# Altium PCB CRD25DA12N-FMC V2 (09-2024).PcbDoc (part 4 of 6)
Units mil, origin at the board's own origin, x right, y up, seen from the top; angles counter-clockwise.
Board outline 8000 x 8000 mil, 6 copper layers (Top Layer, Layer 2, Layer 3, Layer 4, Layer 5, Bottom Layer), stack 91 mil thick; 602 components, 333 nets, 1670 pads, 639 vias.
Unrouted connection lines stored in the file: 1.
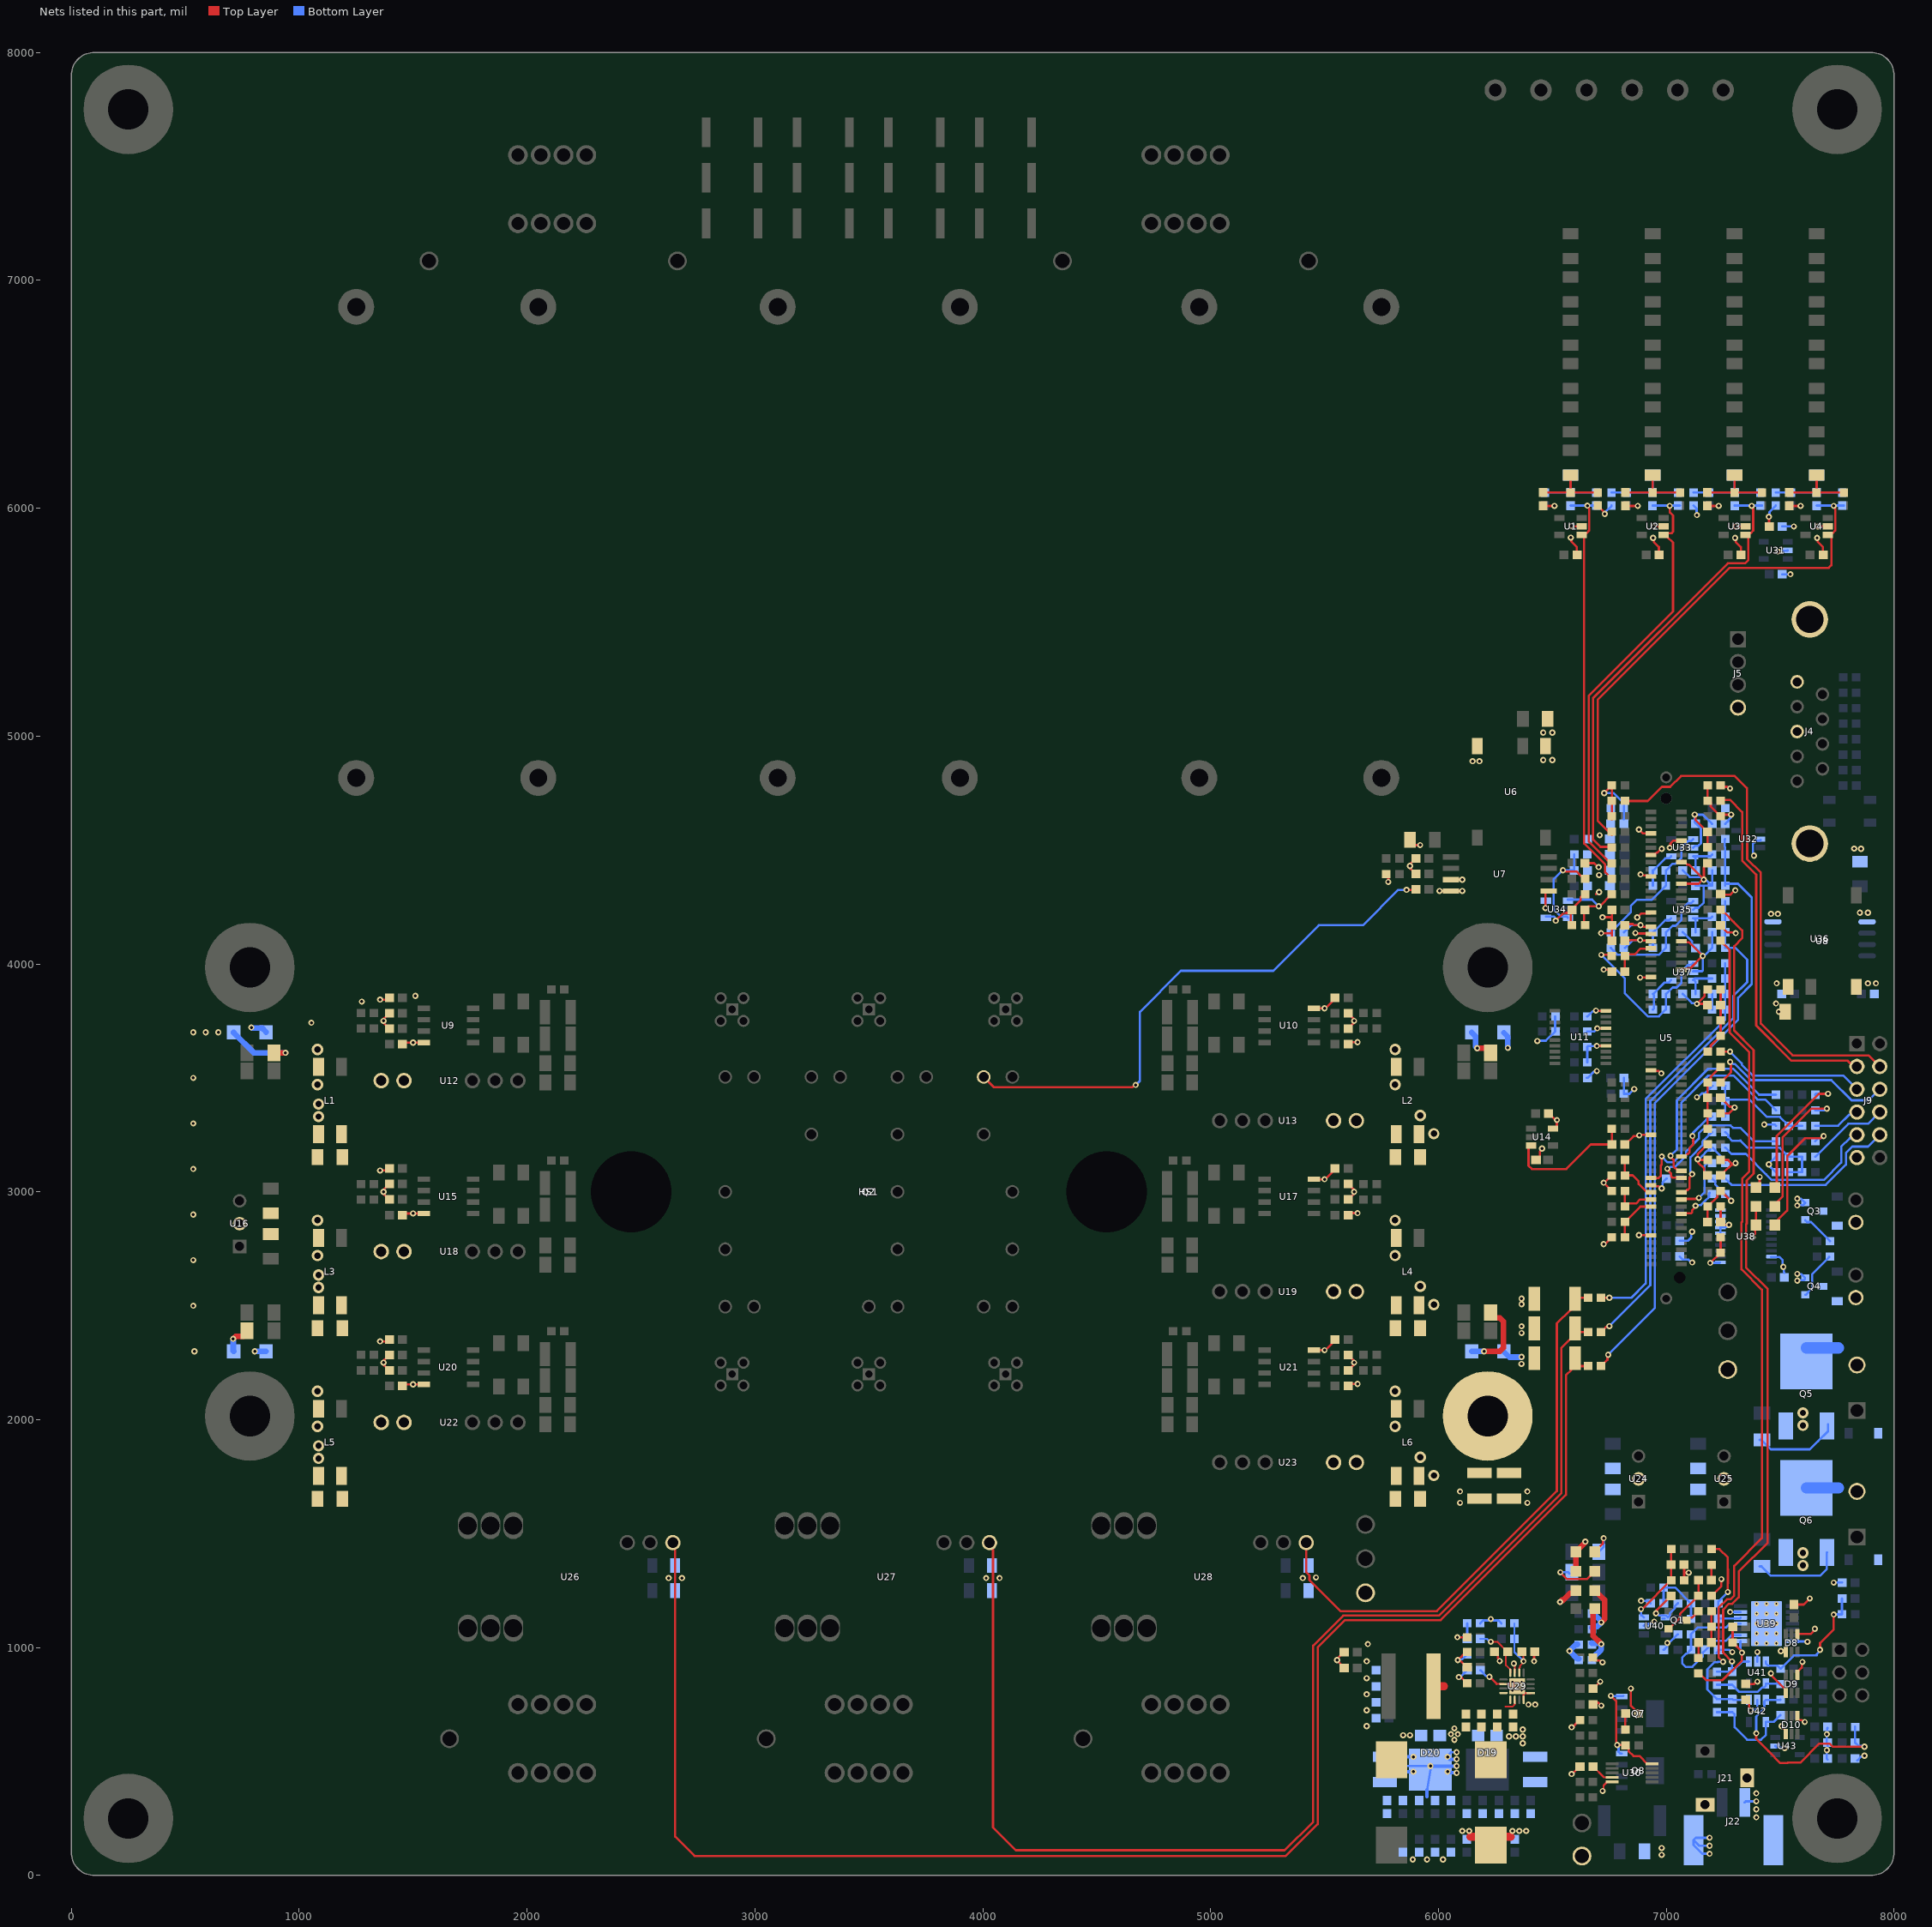
[diagram p8: the nets of this part, all layers, seen from the top]

## Via types
v1: diameter 27, hole 13, Top Layer to Bottom Layer, tented both sides, 543 vias
v2: diameter 50, hole 28, Top Layer to Bottom Layer, tented both sides, 76 vias
v3: diameter 19.68, hole 7.87, Top Layer to Bottom Layer, tented top, 15 vias
v4: diameter 19.68, hole 7.87, Top Layer to Bottom Layer, tented both sides, 5 vias

## Nets (pads, with @x,y where several pads share a name; then routed paths per layer and width w, separated by ;. In a path a pad name is that pad's centre, name@x,y a point inside that pad or via, vN(x,y) a via of type N, cw(c..) or ccw(c..) an arc to the next point about the centre after c; other vN are vias at no path point) (continued)
GND: C1.2 C2.2 C3.2 C4.2 C5.2 C6.2 C7.2 C8.2 C9.2 C10.2 C11.2 C13.2 C15.2 C16.2 C19.2 C21.2 C22.2 C23.2 C24.2 C25.2 C26.2 C27.2 C30.2 C31.2 C32.2 C33.2 C34.2 C35.2 C38.2 C39.2 C44.2 C45.2 C46.2 C49.2 C50.2 C53.2 C54.2 C55.2 C56.2 C57.2 C58.2 C61.2 C62.2 C63.2 C64.2 C71.2 C72.2 C75.2 C76.2 C77.2 C78.2 C81.2 C82.2 C89.2 C92.2 C95.2 C96.2 C97.2 C99.2 C100.2 C101.2 C102.2 C103.2 C104.2 C109.2 C117.2 C118.2 C122.2 C123.2 C124.2 C125.2 C126.2 C127.2 C129.2 C130.2 C131.2 C133.1 C134.2 C135.2 C136.2 C137.2 C138.2 C140.2 C142.2 C143.2 C144.2 C146.2 C147.2 C148.2 C149.2 C150.2 C151.2 C152.2 C153.2 C154.2 C155.2 C156.2 C157.2 C158.2 C159.2 C160.2 C161.2 C162.1 C163.1 C164.1 C166.2 C169.2 C170.2 C171.2 C172.2 C175.2 C178.2 C179.2 C180.2 C182.2 C183.2 C184.2 C186.2 C187.2 C188.2 C189.2 C190.2 C191.2 C192.2 C193.2 C194.2 C195.2 C196.2 C197.2 C198.2 C199.2 C200.2 C201.2 C202.2 C203.2 D1.1 D2.1 D3.1 D4.1 D5.1 D6.1 D8.1 D8.4 D9.1 D9.4 D10.1 D10.4 D11.1 D12.1 D15.1 D16.1 D20.1 J9.11 J21.2 J21.3 J22.1 J22.3 J22.4 L1.2 L2.2 L3.2 L4.2 L5.2 L6.2 L9.1 Q3.2 Q4.2 Q5.3 Q6.3 R38.1 R46.1 R66.1 R87.1 R91.2 R93.1 R96.1 R101.1 R108.1 R110.1 R111.1 R112.1 R113.1 R117.1 R125.1 R133.1 R134.1 R138.1 R139.1 R142.1 R145.1 R149.1 R150.1 R183.1 R186.1 R189.1 R198.1 R201.2 R202.1 R207.1 R212.1 R214.1 R215.1 R216.1 R217.1 R218.1 R219.1 R220.1 R228.1 R236.1 R254.1 R255.1 R258.1 R260.1 R263.1 TP7.1 TP10.1 TP15.1 U1.2 U2.2 U3.2 U4.2 U5.7 U5.10 U5.13 U5.16 U5.19 U5.22 U5.29 U5.35 U5.38 U5.46 U5.47 U5.65 U5.83 U5.97 U5.111 U6.1 U7.5 U8.1 U9.4 U10.4 U11.4 U11.7 U11.10 U14.5 U15.4 U16.2 U17.4 U20.4 U21.4 U24.2 U25.2 U29.1 U29.7 U29.16 U29.17 U30.5 U31.2 U32.2 U33.2 U34.5 U35.2 U36.4 U37.2 U38.1 U38.6 U38.7 U38.8 U38.9 U38.10 U38.19 U39.6 U39.14 U39.15 U40.2 U41.2 U42.2 U43.2 | length 13145.5
  Top Layer w8: v1(6331.08,930) 6331.08,924.86 6335.16,920.78 6335.16,889.81 U29.7@6334.87,889.52 ; v1(6720.98,370.5) 6724.62,374.14 6724.62,394.48 U30.5@6739.86,409.72 ; U30.5@6740.77,410.63 U30.5@6762.91,410.63
  Top Layer w10: v1(1355,2343.5) 1382.92,2343.5 C71.2@1391.42,2352 ; v1(1355,3093.5) 1382.92,3093.5 C49.2@1391.42,3102 ; v1(1355,3843.5) 1382.92,3843.5 C26.2@1391.42,3852 ; C77.2@1391.42,2216 1391.42,2220.05 1373.25,2238.22 1373.25,2246.75 v1(1370,2250) 1373.25,2253.25 1373.25,2261.78 1391.42,2279.95 C75.2@1391.42,2284 ; C57.2@1391.42,2966 1391.42,2970.05 1373.25,2988.22 1373.25,2996.75 v1(1370,3000) 1373.25,3003.25 1373.25,3011.78 1391.42,3029.95 C54.2@1391.42,3034 ; C34.2@1391.42,3716 1391.42,3720.05 1373.25,3738.22 1373.25,3746.75 v1(1370,3750) 1373.25,3753.25 1373.25,3761.78 1391.42,3779.95 C32.2@1391.42,3784 ; C81.2@1448.58,2148 1455.58,2155 v1(1500,2155) U20.4@1546.73,2155 ; C61.2@1448.58,2898 1455.58,2905 v1(1500,2905) U15.4@1546.73,2905 ; C38.2@1448.58,3648 1455.58,3655 v1(1500,3655) U9.4@1546.73,3655 ; U21.4@5453.27,2305 v1(5500,2305) 5505,2305 5505,2306.53 5550.47,2352 C72.2@5551.42,2352 ; U17.4@5453.27,3055 v1(5500,3055) 5505,3055 5505,3056.53 5550.47,3102 C50.2@5551.42,3102 ; U10.4@5453.27,3805 v1(5500,3805) 5505,3805 5505,3806.53 5550.47,3852 C27.2@5551.42,3852 ; C99.2@5586.42,900 5586.42,912.05 5555,943.47 5555,949.53 5575.47,970 C97.2@5586.42,970 ; C82.2@5608.58,2148 5617.08,2156.5 v1(5645,2156.5) ; C78.2@5608.58,2216 5608.58,2220.05 5626.75,2238.22 5626.75,2246.75 v1(5630,2250) 5626.75,2253.25 5626.75,2261.78 5608.58,2279.95 C76.2@5608.58,2284 ; C62.2@5608.58,2898 5617.08,2906.5 v1(5645,2906.5) ; C58.2@5608.58,2966 5608.58,2970.05 5626.75,2988.22 5626.75,2996.75 v1(5630,3000) 5626.75,3003.25 5626.75,3011.78 5608.58,3029.95 C55.2@5608.58,3034 ; C39.2@5608.58,3648 5617.08,3656.5 v1(5645,3656.5) ; C35.2@5608.58,3716 5608.58,3720.05 5626.75,3738.22 5626.75,3746.75 v1(5630,3750) 5626.75,3753.25 5626.75,3761.78 5608.58,3779.95 C33.2@5608.58,3784 ; v1(6083.11,1045) R142.1@6126.38,1045 ; v1@6102.73,866.75 6125.47,844 R149.1@6126.38,844 ; v1(6135,195) 6135,175.86 6140.86,170 ; L9.1@6192.99,170 L9.1@6230,132.99 L9.1@6267.01,170 ; C95.2@6246.42,981 6247.37,981 6261.24,967.14 6261.24,952.5 6268.91,944.82 v1(6268.91,940.28) ; 6317.98,170 6323.84,175.86 6323.84,193.84 v1(6325,195) ; v1(6331.08,930) 6334.33,926.75 6334.33,921.07 v1@6334.87,920.53 ; v4(6365,810) U29.17@6374.53,800.47 ; U29.16@6374.53,770.77 U29.17@6374.53,800.47 ; U29.1@6404.23,800.47 U29.17@6374.53,800.47 ; v1(6420,940) 6420,977.42 C96.2@6423.58,981 ; R91.2@6428.38,3140 6431.29,3140 6445.16,3153.86 6445.16,3175.56 6455,3185.4 v1(6455,3190) ; C1.2@6460,6011.42 6461.42,6010 v1(6509.46,6010) ; v1(6470,4245) 6470,4313.19 6476.81,4320 6488.54,4320 U7.5@6495.35,4313.19 ; C45.2@6483.58,3344 6484.53,3344 6510.27,3318.25 6516.75,3318.25 v1(6520,3315) 6520,3288.18 6511.22,3279.4 U14.5@6503.23,3279.4 ; v1(6580.67,5871.13) 6583.92,5867.88 6583.92,5853.71 6607.63,5830 6607.63,5795.95 C6.2@6608.58,5795 ; v1(6583.58,5921.42) 6584.29,5920.71 6627.52,5920.71 U1.2@6628.23,5920 ; v1(6585,445) 6587.47,445 6620.47,478 C109.2@6621.42,478 ; v1(6585,650) 6588.47,650 6618.47,680 R150.1@6625,680 ; C15.2@6638.58,4442 6683.4,4442 6700.4,4425 v1(6703.02,4425) ; C103.2@6678.58,750 6685.82,757.24 6700.74,757.24 ; C101.2@6678.58,819 6679.53,819 6710,849.47 v1(6710,850) ; R145.1@6678.62,956 6691.58,943.04 6707.36,943.04 6715.4,935 v1(6720,935) ; 6691.4,4306 6700.4,4315 v1(6705,4315) ; v1(6691.5,3795) 6691.93,3794.57 6734.57,3794.57 U11.10@6735,3794.13 ; v1(6695,3640) 6695.3,3640.3 6734.7,3640.3 U11.4@6735,3640.59 ; v1(6697.19,3717.36) U11.7@6735,3717.36 ; R38.1@6700,6011.38 6700,6010.47 v1@6726.75,5983.73 ; 6701.75,758.25 v1(6715,745) ; v1(6714.02,4135) 6761.42,4135 ; v1(6720,4205) 6761.42,4205 ; v1(6725,2770) 6728.25,2773.25 6733.73,2773.25 6760.47,2800 R110.1@6761.38,2800 ; v1(6725,3975) 6760.42,3975 C25.2@6761.42,3974 ; U30.5@6739.86,409.72 U30.5@6740.77,410.63 ; R101.1@6761.38,3004 6760.47,3004 6725,3039.47 v1(6725,3040) 6728.47,3040 6760.47,3072 R96.1@6761.38,3072 ; C24.2@6761.42,4110 6761.42,4135 ; C21.2@6761.42,4240 C21.2@6761.42,4238 6761.42,4205 ; C46.2@6818.58,3208 6819.53,3208 6855.79,3244.26 6878.25,3244.26 v1(6881.5,3247.52) 6883.89,3249.9 6932.97,3249.9 U5.83@6933.07,3249.8 ; C2.2@6820,6011.42 6821.42,6010 v1(6875,6010) ; v1(6845,820) 6845,743.58 6863.76,724.81 6863.76,723.86 6877.63,710 C104.2@6878.58,710 ; v1(6864.55,4135.68) 6866.54,4133.69 6931.08,4133.69 U5.35@6933.07,4131.69 ; v1(6872.9,4204.39) 6874,4204.39 6890.94,4221.34 6928.23,4221.34 U5.29@6933.07,4226.18 ; v1(6880,2810) 6880.57,2809.43 6929.43,2809.43 U5.111@6930,2810 ; v1(6880,4590) 6897.36,4572.64 U5.7@6933.07,4572.64 ; v1(6885,3940) 6885.47,3940.47 6934.53,3940.47 U5.47@6935,3940.94 ; v1(6887.16,4392.84) 6891.76,4392.84 6896.1,4388.5 6928.23,4388.5 U5.19@6933.07,4383.66 ; U5.13@6914.65,4482.8 6951.5,4482.8 6957.5,4488.8 6961.25,4488.8 6977.45,4505 v1(6980.19,4505) ; U5.97@6928.23,3034.17 U5.97@6933.07,3029.33 6937.91,3024.49 6965.91,3024.49 6975.4,3015 v1(6980,3015) ; U5.65@6935,3531.5 6936.04,3530.46 6964.94,3530.46 6975.4,3520 v1(6978.82,3520) ; v1(6942.09,5869.71) 6945.34,5866.45 6945.34,5852.28 6967.63,5830 6967.63,5795.95 C7.2@6968.58,5795 ; v1(6945,5920) U2.2@6988.23,5920 ; v1(7015,4510) 7018.25,4513.25 7018.25,4528.25 7031.14,4541.14 U5.10@7066.93,4541.14 ; U5.46@7066.93,3974.21 7071.77,3979.06 7104.06,3979.06 v1(7160,4035) 7099.65,4095.35 7071.77,4095.35 U5.38@7066.93,4100.2 ; U5.22@7066.93,4352.17 7142.57,4352.17 7160.4,4370 v1(7165,4370) ; U5.16@7071.77,4451.5 U5.16@7066.93,4446.65 7080.71,4446.65 7091.36,4436 7099,4436 v1(7165,4370) ; R138.1@7078.62,1295 R138.1@7078.62,1295 7078.58,1330 ; C89.2@7078.58,1363 7078.58,1330 ; C89.2@7079.53,1347.25 C89.2@7079.53,1363 ; v1(7098.39,1328.39) 7080.19,1328.39 cw(c7080.19,1330) 7078.58,1330 ; v1(7125,4655) 7128.25,4651.75 7128.25,4632.22 7180.47,4580 C11.2@7181.42,4580 C13.2@7181.42,4511 ; C3.2@7180,6011.42 7181.42,6010 v1(7230,6010) ; C30.2@7181.42,3820 7176.42,3825 v1(7135,3825) 7167.52,3857.52 7167.52,3875.04 7180.47,3888 R66.1@7181.38,3888 ; C16.2@7181.42,4442 7180.47,4442 7166.61,4428.14 7166.61,4427.19 7165,4425.58 v1(7165,4370) ; v1(7193.1,2688.1) 7193.82,2688.1 7237.72,2732 R112.1@7238.62,2732 R111.1@7238.62,2800 ; R139.1@7198.62,1227 7199.53,1227 7241.89,1269.36 v1(7241.89,1300) ; C63.2@7238.58,2868 C63.2@7238.58,2868 R108.1@7238.62,2936 ; C53.2@7238.58,3072 7239.53,3072 7253.39,3085.86 7253.39,3086.71 7284.8,3118.12 7296.33,3118.12 v1(7304.07,3125.86) ; R93.1@7238.62,3140 7270.98,3140 7292.87,3118.12 ; R87.1@7238.62,3344 7274,3344 v1(7300,3370) 7296.75,3373.25 7278.27,3373.25 7239.53,3412 C44.2@7238.58,3412 ; C23.2@7238.58,4168 7239.53,4168 7269.27,4138.25 7301.75,4138.25 v1(7305,4135) ; C19.2@7238.58,4304 7281.99,4304 7301.26,4323.27 v1(7303.03,4323.27) ; R46.1@7238.62,4790 7251.58,4777.04 7268.36,4777.04 7275.4,4770 v1(7280,4770) ; C63.2@7239.6,2869.02 7239.6,2868.79 7253.39,2855 v1(7275.54,2855) ; v1(7302.09,5869.71) 7305.34,5866.45 7305.34,5852.28 7327.63,5830 7327.63,5795.95 C8.2@7328.58,5795 ; v1(7305,5920) U3.2@7348.23,5920 ; C102.2@7348.58,771 7349.53,771 7363.39,757.14 7363.39,735.07 7370,728.46 v1(7370,723.86) ; C100.2@7348.58,840 7385.52,840 7395.52,850 v1(7400.12,850) ; v1(7378.5,2800) 7378.5,2803.88 7390,2815.38 7390,2850.34 D3.1@7393.66,2854 D2.1@7393.66,2936 ; D1.1@7387.66,3012 7410,3034.34 v1(7410,3065) ; v1(7450,5962.36) 7451.14,5961.23 C5.2@7451.14,5920 ; v1(7459.15,886.52) 7462.41,883.26 7462.41,876.41 7524.41,814.41 D9.1@7524.41,800.63 ; v1(7502.68,984.44) 7520.6,984.44 D8.1@7524.41,980.63 ; v1(7506,655.26) 7506,652.82 7520.55,638.27 D10.1@7520.55,625 ; C4.2@7540,6011.42 7541.42,6010 v1(7589.46,6010) ; C92.2@7560,1188.58 7603.58,1188.58 v1(7630,1215) ; D10.4@7575.59,699.37 7575.59,685.59 7579.45,681.73 7594.67,681.73 7603.29,673.11 v1(7607.89,673.11) ; D9.4@7575.59,879.37 7575.59,893.15 7594.61,912.17 7594.61,933.41 v1(7597.86,936.66) ; D8.4@7575.59,1059.37 7633.25,1059.37 7652.35,1078.46 v1(7652.35,1082.35) ; v1(7662.09,5869.71) 7665.34,5866.45 7665.34,5852.28 7687.63,5830 7687.63,5795.95 C9.2@7688.58,5795 ; v1(7665,5920) U4.2@7708.23,5920 ; 6761.42,4135 C22.2@6761.42,4170 6761.42,4205
  Top Layer w25: v1(6534.01,1199.85) 6534.55,1199.85 6542,1207.3 6547.3,1207.3 6578.88,1238.88 6592.54,1238.88 D6.1@6603.66,1250 ; D5.1@6603.66,1335 D4.1@6603.66,1420 6644.62,1460.96 6644.62,1464.62 v1(6645,1465)
  Top Layer w35: 6140.86,170 L9.1@6192.99,170 ; L9.1@6267.01,170 6317.98,170
  Bottom Layer w10: 5860,480 v1(5965,480) ; D20.1@5950,376.14 D20.1@5965,464.06 ; v1(6040,455) D20.1@6045,450 ; D20.1@6050,510 v1(6040,520) 6040,525.51 6054.49,540 v1(6080,540) ; v1(6090,870) 6093.25,873.25 6098.73,873.25 6125.47,900 C171.2@6126.42,900 ; R255.1@6183.62,1106 6196.58,1118.96 6219.36,1118.96 6225.4,1125 6234.6,1125 6240.64,1118.96 6263.42,1118.96 R254.1@6276.38,1106 ; D15.1@6287.4,2298.03 D15.1@6287.4,2300 ; D11.1@6287.4,3698.03 D11.1@6287.4,3700 ; D15.1@6311.93,2273.5 D15.1@6313.9,2273.5 ; v1(6433.85,3661.83) 6434.99,3662.97 6471.31,3662.97 6511.34,3703 6512.24,3703 R215.1@6512.24,3770 ; v1(6470,4245) 6470,4280.63 U34.5@6471.77,4282.4 ; C147.2@6650,3500 C147.2@6653.58,3500 6654.53,3500 6681.27,3526.75 6691.75,3526.75 v1(6695,3530) ; R219.1@6653.62,3568 R218.1@6653.62,3636 6657.62,3640 v1(6695,3640) ; R216.1@6653.62,3703 6682.82,3703 v1(6697.19,3717.36) ; R214.1@6653.62,3770 6654.53,3770 6676.27,3791.75 6688.25,3791.75 v1(6691.5,3795) ; v1(6730,5975) 6733.25,5978.25 6733.25,5983.73 6760,6010.47 R189.1@6760,6011.38 ; C146.2@6813.62,3500.78 R220.1@6813.62,3430 6838.67,3430 v1(6859.34,3450.66) ; v1(6889.85,1205.15) 6920.27,1205.15 C166.2@6931.42,1194 ; U40.2@6901.77,1095 6910.55,1103.78 6932.8,1103.78 6942.81,1113.79 v1(6947.41,1113.79) ; v1(6980,3015) 6983.25,3018.25 6983.25,3039.83 6986.61,3043.19 6986.61,3044.14 7000.47,3058 C150.2@7001.42,3058 ; C170.2@6988.58,990 6989.53,990 7003.39,1003.86 7003.39,1012.47 7007.99,1017.07 v1@7009.28,1017.07 ; v1(7005.01,1020.32) 7006.03,1020.32 v1@7009.28,1017.07 ; R258.1@7050.47,1058 7031.87,1039.39 7031.87,1039.26 7012.92,1020.32 7012.53,1020.32 v1@7009.28,1017.07 ; C152.2@7058.58,2716 7072.44,2702.14 7097.31,2702.14 7109.45,2690 v1(7114.05,2690) ; C151.2@7058.58,2785 7094.69,2785 7110.04,2800.35 7110.04,2821.35 v1(7113.3,2824.61) ; C144.2@7071.42,3868 7072.37,3868 7112.12,3828.25 7131.75,3828.25 v1(7135,3825) 7166,3825 7175.02,3834.02 7201.42,3834.02 ; C138.2@7071.42,4139 7072.37,4139 7113.76,4097.61 7113.76,4083.86 7127.63,4070 C140.2@7128.58,4070 7129.53,4070 v1@7160,4039.53 ; C131.2@7071.42,4411 7072.37,4411 7102.24,4381.14 7150.33,4381.14 7161.47,4370 v1(7165,4370) 7168.25,4366.75 7176.73,4366.75 R202.1@7200.47,4343 ; U37.2@7118.23,3967 7119.23,3968.01 7156.78,3968.01 7160,3971.22 v1(7160,4035) 7163.25,4038.25 7168.73,4038.25 7200.47,4070 R207.1@7201.38,4070 C137.2@7201.42,4139 C137.2@7201.42,4139 ; U35.2@7118.23,4238 7127.01,4246.78 7141.58,4246.78 7164.52,4269.72 7164.52,4343 ; U33.2@7118.23,4510 7127.01,4518.78 7141.58,4518.78 7151.87,4529.07 7151.87,4594.66 C123.2@7129.53,4617 ; R186.1@7120,6011.38 7132.96,5998.42 7132.96,5972.04 v1(7135,5970) ; C135.2@7128.58,4343 7164.52,4343 ; C123.2@7128.58,4617 C123.2@7129.53,4617 ; v1(7135,3415) 7139.6,3415 7156.2,3431.6 7168.5,3431.6 7201.9,3465 C148.2@7202.85,3465 ; v1(7190,95) 7158.11,95 7119.8,133.31 J22.4@7119.8,155 ; v1(7190,130) 7144.8,130 J22.4@7119.8,155 ; v1(7190,165) 7129.8,165 J22.4@7119.8,155 ; v1(7193.1,2688.1) 7193.46,2688.46 7234.64,2688.46 U38.1@7235,2688.82 ; R212.1@7201.38,3800 R212.1@7201.38,3800 7201.42,3834.02 ; C143.2@7201.42,3868 7201.42,3834.02 ; C130.2@7201.42,4411 C130.2@7201.42,4411 R202.1@7201.38,4343 R202.1@7200.47,4343 ; C122.2@7201.42,4615 7200.47,4615 7160.47,4655 v1(7125,4655) 7125,4621.53 C123.2@7129.53,4617 ; C169.2@7220.28,975.24 C169.2@7230.05,985 ; C169.2@7228.58,990 7275.4,990 7285.4,980 v1(7290,980) ; U38.6@7237.8,2817.8 U38.7@7237.8,2840.51 ; U38.7@7237.8,2843.39 U38.7@7237.8,2851.18 ; U38.8@7237.8,2866.1 U38.7@7237.8,2851.18 ; U38.8@7237.8,2868.98 U38.9@7237.8,2894.57 U38.10@7237.8,2920.16 ; v1(7275.54,2855) 7275.38,2855 7266.48,2846.1 7243.39,2846.1 U38.7@7237.8,2840.51 ; v1(7280.29,1156.3) 7280.35,1156.24 U39.6@7325.83,1156.18 U39.6@7325.83,1156.18 ; J22.1@7344.21,320.35 7348.86,325 v1(7395,325) ; v1(7370,723.86) 7373.25,727.11 7389.98,727.11 7400,737.14 U42.2@7400,770 ; v1(7385,4475) 7385,4479.6 7380.5,4484.1 7380.5,4526.97 7387.57,4534.04 7389.34,4534.04 7396.5,4541.19 7412.42,4541.19 U32.2@7414.84,4543.61 ; U41.2@7400,938.23 v1(7400,980) ; v1(7430,3295) 7476.38,3295 R228.1@7481.38,3290 ; v1(7450,5962.36) 7453.25,5965.62 7453.25,5983.73 7480,6010.47 R183.1@7480,6011.38 ; U38.19@7459.41,2714.41 7495.59,2714.41 7510.88,2699.12 7510.88,2673.19 v1(7513.45,2670.62) 7516.7,2667.37 7516.7,2646.84 7518.54,2645 ; U43.2@7478.7,567.6 7485.51,560.79 7509.61,560.79 7509.77,560.62 7517.87,560.62 v1(7520,558.49) ; R236.1@7481.38,3086 7480.47,3086 7450,3116.47 v1(7450,3120) 7450,3123.53 7480.47,3154 C149.2@7481.42,3154 ; v1(7490,5810) 7492.5,5812.5 7530.65,5812.5 U31.2@7533.15,5815 ; C118.2@7508.58,5710 v1(7545,5710) ; C117.2@7508.58,5920 v1(7560,5920) ; U39.14@7554.17,1028.23 7555.63,1026.77 7618.55,1026.77 v1(7620,1025.32) ; v1(7575,2610) 7576.65,2611.65 7602.91,2611.65 7608.66,2617.4 7608.66,2622.4 7592.56,2638.5 7576.5,2638.5 v1(7575,2640) ; v1(7575,2940) 7576.65,2941.65 7599.88,2941.65 7607.15,2948.92 7607.15,2953.92 7592.56,2968.5 ; v1(7575,2970) 7576.5,2968.5 v1@7587.56,2968.5 ; Q3.2@7601.26,2940 7601.26,2943.03 Q3.2@7610.63,2952.4 ; Q3.2@7608.66,2952.4 7592.56,2968.5 ; v1(7705,550) 7705,511.58 C184.2@7708.58,508 ; v1(7705,620) 7705,581.58 7708.58,578 v1@7708.58,550 ; v1@7706.69,620 7706.69,645.11 C180.2@7708.58,647 ; v1(7735,1285) C161.2@7771.42,1285 ; C183.2@7838.53,504 7856.27,521.75 7866.75,521.75 v1(7870,525) ; 7164.52,4343 R202.1@7200.47,4343 ; U38.7@7237.8,2840.51 7237.69,2840.62 7237.69,2851.07 U38.7@7237.8,2851.18 ; v1@7587.56,2968.5 7592.56,2968.5 ; v1@7587.56,2968.5 7592.56,2968.5
  Bottom Layer w15: 5855,520 v1(5890,520) ; 5860,455 v1(5890,455) ; 5950,345 D20.1@5950,376.14 ; v1(5965,480) v1(6080,480) ; D20.1@6045,450 v1(6080,450) ; D20.1@6050,510 v1(6080,510)
  Bottom Layer w25: v1(790,3721.08) 790.54,3721.08 792.62,3719 837.3,3719 854.33,3701.97 D12.1@854.33,3700 ; v1(805,2300) D16.1@854.33,2300 ; D15.1@6287.4,2298.03 D15.1@6311.93,2273.5 ; D11.1@6287.4,3698.03 6304.43,3681 6304.43,3632.61 6305,3632.04 v1(6305,3631.5) ; D15.1@6313.9,2273.5 6315.01,2274.62 6364.62,2274.62 v1(6365,2275) ; R260.1@6610,1013.53 6603.53,1013.53 v1(6575,985) 6575.47,985 6610.47,950 R263.1@6616.47,950
  other v1: 5887.4,70 5950,70 6020,70 6980,90 6980,120 6105,195 6355,195 6385,195 7395,255 7395,290 7395,360 5685,655 5685,725 6395,750 6425,750 5685,795 5685,865 5685,940 5555,945 5690,1014.94 6230,1125 2621.5,1305 2680,1305 4015,1305 4073.5,1305 5405,1305 5462.65,1307.65 6095,1635 6390,1635 6095,1685 6390,1685 6364.7,2244.7 540,2300 6365,2380 6364.85,2409.85 535,2500 6365,2506.5 6365,2531.5 535,2700 535,2900 535,3100 535,3300 535,3500 535,3700 590,3700 645,3700 1053.21,3741.79 7494.21,3790 7481.72,3826.72 1275,3835 1510,3860 7485,3915 7460,4220 7490,4220 6705,4390 6707.89,4565 6460,4895 6500,4895 6460,5015 6500,5015
  other v2: 7600,1360 7600,1415 1080,1970 5810,1970 7600,1974.76 7600,2029.76 1080,2125 5810,2125 1080,2720 5810,2720 1080,2875 5810,2875 1080,3470 5810,3470 1080,3625 5810,3625
  other v3: 7396.69,1018.39 7440,1018.39 7483.31,1018.39 7396.69,1061.69 7440,1061.69 7483.31,1061.69 7396.69,1105 7440,1105 7483.31,1105 7396.69,1148.31 7440,1148.31 7483.31,1148.31 7396.69,1191.61 7440,1191.61 7483.31,1191.61
  other v4: 6325,810 6345,830 6325,850 6365,850
GND_ISO: C128.2 C141.2 J4.3 J4.5 J4.10 J4.11 J5.4 U8.4 U36.5
  other v1: 7885,3915 7920,3915 7850,4225 7885,4225 7855,4505 7824.6,4506.19
GND_NTC: C12.2 C14.2 C17.2 C18.2 Q2.NTC1 R55.1 U6.4 U7.3 U7.4 | length 2775.8
  Top Layer w10: Q2.NTC1@4003.94,3503.94 4048.94,3458.94 4657.16,3458.94 4667.01,3468.79 v1(4671.61,3468.79) ; R55.1@5771.38,4395 5780,4386.38 v1(5780,4360) ; v1(5860,4325) 5898.47,4325 5900.47,4327 C18.2@5901.42,4327 ; v1(5875,4430) 5878.25,4426.75 5878.25,4417.22 5900.47,4395 C17.2@5901.42,4395 ; C12.2@5875.81,4545 5875.81,4542.06 5896.51,4521.36 v1(5920,4521.36) ; v1@5878.25,4440.78 5900.47,4463 C14.2@5901.42,4463 ; v1(6005,4320) U7.4@6055.43,4320 v1(6105,4320) ; U7.3@6055.43,4370 v1(6105,4370)
  Bottom Layer w10: v1(4671.61,3468.79) 4690,3487.18 4690,3790 4870,3970 5275,3970 5475,4170 5668.28,4170 5823.28,4325 v1(5860,4325)
  other v1: 6150,4890 6180,4890
GPIO35: R226.2 U5.90 | length 251.1
  Top Layer w10: U5.90@7066.93,3155.31 7080.71,3155.31 7091.36,3165.97 7095.11,3165.97 7101.55,3172.41 7101.55,3191.33 7118.62,3208.4 7118.62,3216.78 7118.25,3217.15 7118.25,3241.75 v1(7115,3245)
  Bottom Layer w10: v1(7115,3245) 7118.25,3248.25 7118.25,3259.53 7175.77,3317.04 7188.42,3317.04 R226.2@7201.38,3330
GPIO54: R229.2 U5.100 | length 336.4
  Top Layer w10: U5.100@7066.93,2997.83 7080.71,2997.83 7091.36,3008.49 7095.11,3008.49 7101.55,3014.93 7101.55,3061.95 7113.49,3073.89 v1(7113.49,3077.37)
  Bottom Layer w10: v1(7113.49,3077.37) 7113.49,3081.97 7106.5,3088.96 7106.5,3151.81 7158.09,3203.39 7158.09,3219.5 7163.5,3224.91 7163.5,3225.03 7200.47,3262 R229.2@7201.38,3262
GPIO55: R234.2 U5.102 | length 253.4
  Top Layer w10: U5.102@7066.93,2966.34 7069.09,2968.5 7128.29,2968.5 7129.16,2969.37 7139.98,2969.37 v1(7143.23,2972.62)
  Bottom Layer w10: v1(7143.23,2972.62) 7167.73,2997.12 7167.73,3055.16 7167.52,3055.38 7167.52,3113.42 R234.2@7184.09,3130
GPIO57: R238.2 U5.106 | length 177.9
  Top Layer w10: U5.106@7066.93,2903.35 7068.73,2905.15 7107.81,2905.15 7113.67,2911.01 7113.67,2919.32 7128.45,2934.1 v1(7128.45,2938.7)